# KiCad board tamago60.kicad_pcb
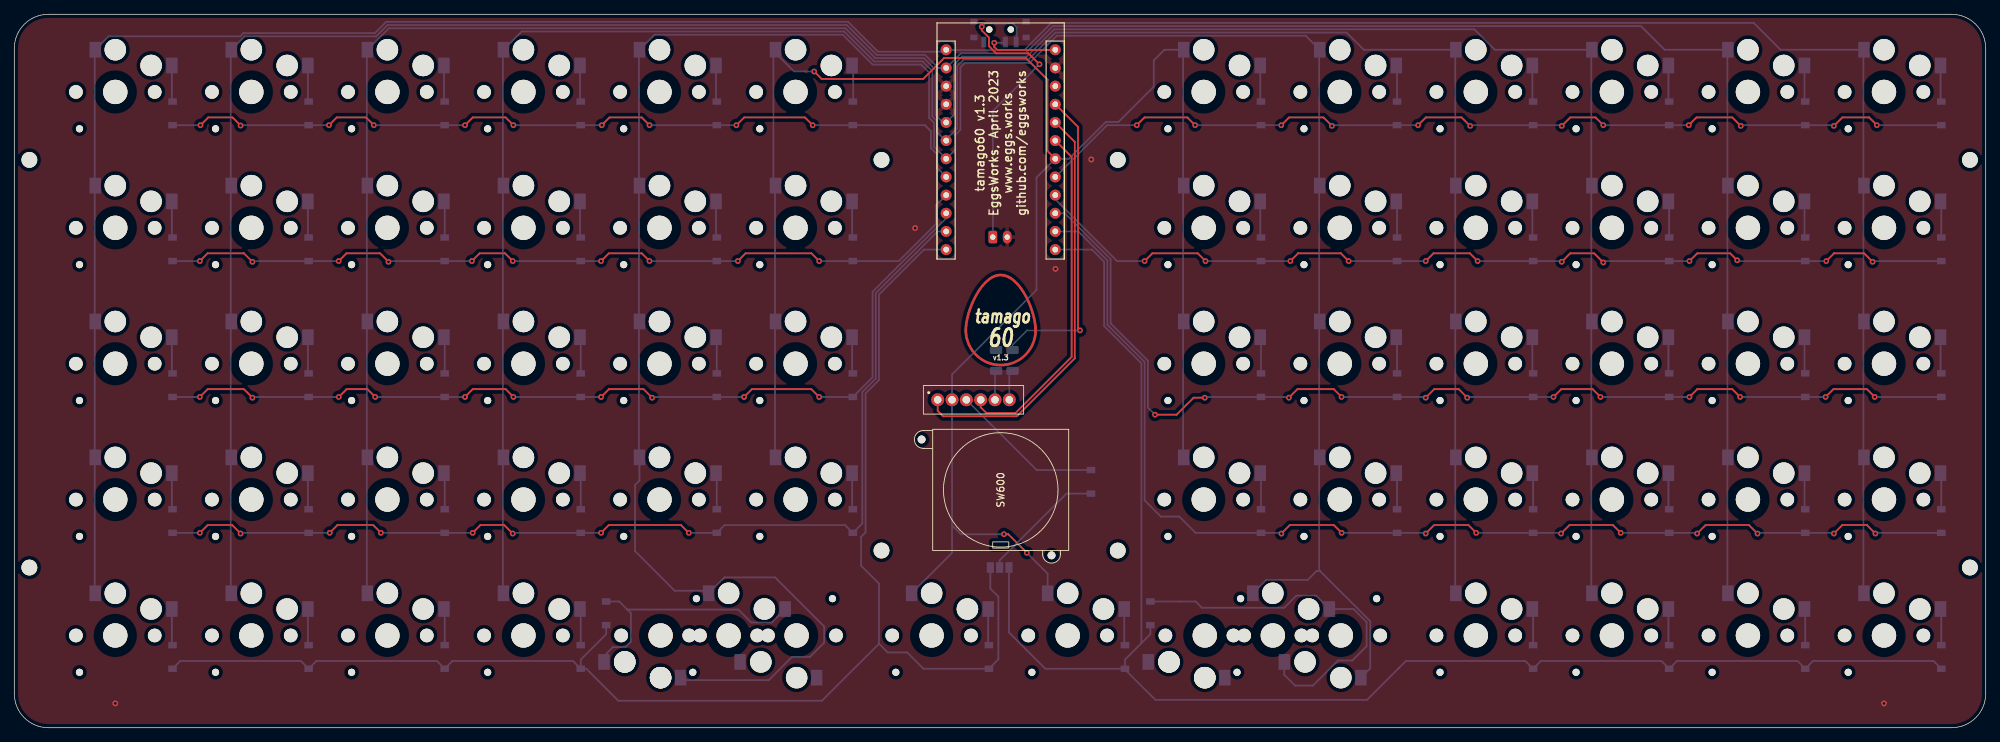
[diagram p0: board, top side]
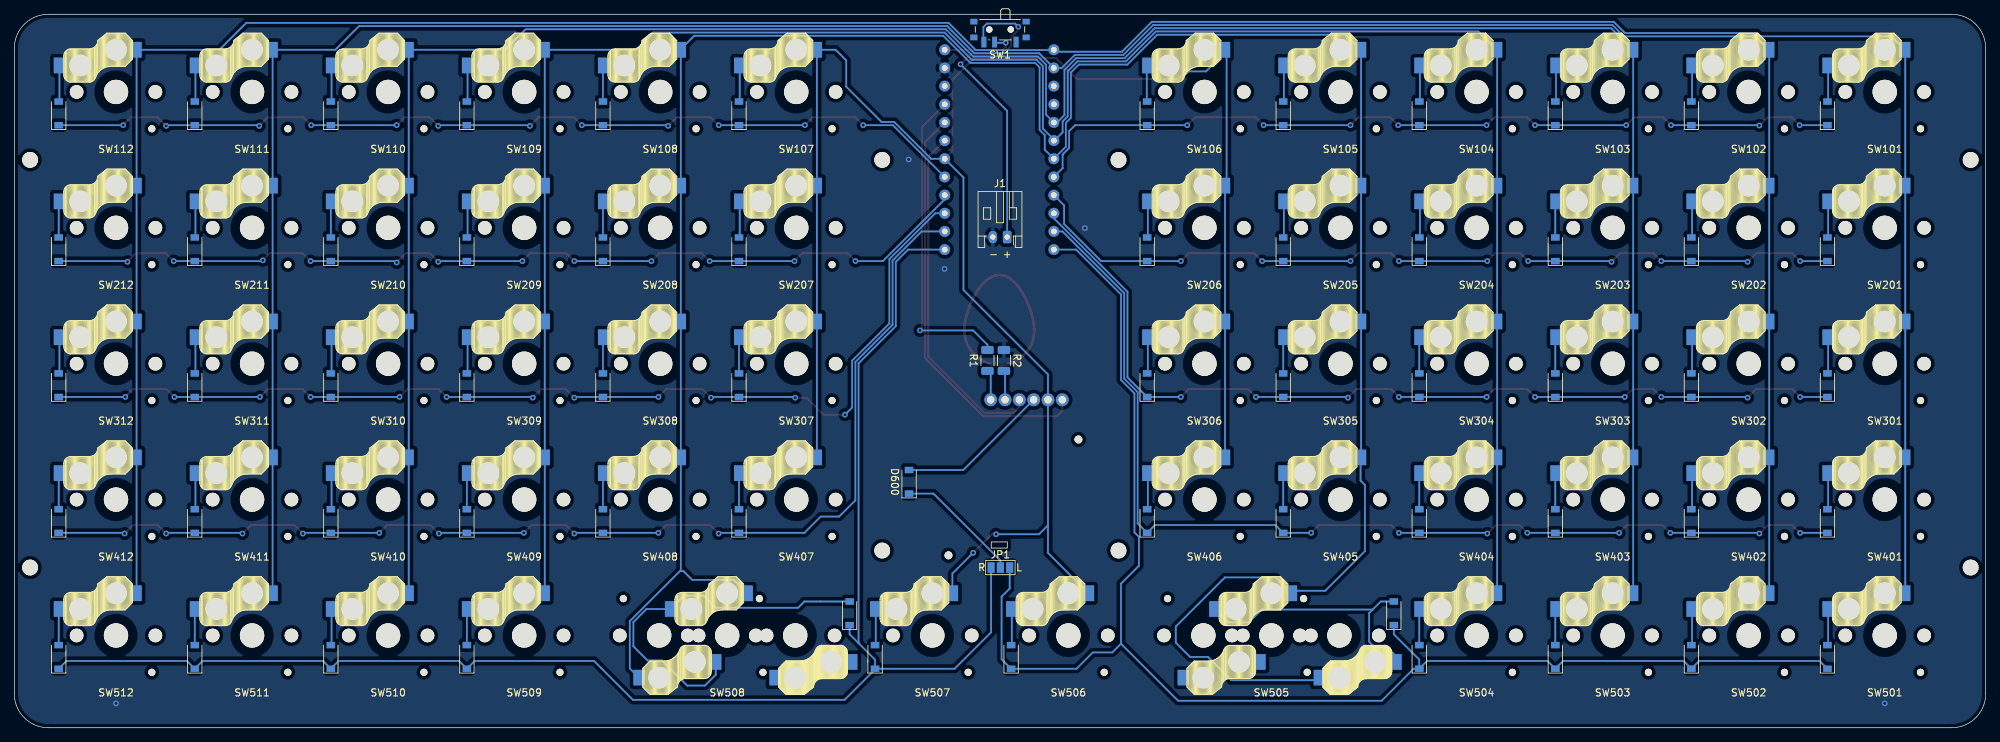
[diagram p1: board, bottom side, seen from below]

Outline 275.3 x 99.75 mm; copper layers: Top, Bottom. Coordinates in mm from the lower left corner of the outline.
Outline path: 0,95 arc(1.39,98.36) 4.75,99.75 270.55,99.75 arc(273.91,98.36) 275.3,95 275.3,4.75 arc(273.91,1.39) 270.55,0 4.75,0 arc(1.39,1.39) 0,4.75 0,95
Stack: Top 0.035mm / dielectric 1.51mm FR4 er 4.5 / Bottom 0.035mm

## Placement (name value [footprint] x y rotation side)
#LOGO1  LOGO  [tamago60logo]  137.75 57 0 top
D600  D  [D_SOD-123]  150.35 34.38 90 bottom
H1  MountingHole  [MountingHole_2.2mm_M2]  2.1 79.39 0 top
H2  MountingHole  [MountingHole_2.2mm_M2]  2.1 22.39 0 top
H3  MountingHole  [MountingHole_2.2mm_M2]  121.1 79.39 0 top
H4  MountingHole  [MountingHole_2.2mm_M2]  121.1 24.77 0 top
H5  MountingHole  [MountingHole_2.2mm_M2]  154.1 79.39 0 top
H6  MountingHole  [MountingHole_2.2mm_M2]  154.1 24.77 0 top
H7  MountingHole  [MountingHole_2.2mm_M2]  273.1 79.39 0 top
H8  MountingHole  [MountingHole_2.2mm_M2]  273.1 22.39 0 top
J1  Conn_01x02_Female  [JST_PH_S2B-PH-K_1x02_P2.00mm_Horizontal]  136.65 68.6 0 bottom
JP1  SolderJumper_3_Open  [SolderJumper-3_P1.3mm_Open_Pad1.0x1.5mm_NumberLabels]  137.6 22.39 180 bottom
R1  R  [R_1206_3216Metric]  139.4 51.35 270 bottom
R2  R  [R_1206_3216Metric]  137.1 51.35 270 bottom
SW1  SW_SPDT  [SW_SPDT_PCM12]  137.65 97.29 0 bottom
SW101  switch_with_diode  [Choc_Hotswap]  14.1 88.89 180 bottom
SW102  switch_with_diode  [Choc_Hotswap]  33.1 88.89 180 bottom
SW103  switch_with_diode  [Choc_Hotswap]  52.1 88.89 180 bottom
SW104  switch_with_diode  [Choc_Hotswap]  71.1 88.89 180 bottom
SW105  switch_with_diode  [Choc_Hotswap]  90.1 88.89 180 bottom
SW106  switch_with_diode  [Choc_Hotswap]  109.1 88.89 180 bottom
SW107  switch_with_diode  [Choc_Hotswap]  166.1 88.89 180 bottom
SW108  switch_with_diode  [Choc_Hotswap]  185.1 88.89 180 bottom
SW109  switch_with_diode  [Choc_Hotswap]  204.1 88.89 180 bottom
SW110  switch_with_diode  [Choc_Hotswap]  223.1 88.89 180 bottom
SW111  switch_with_diode  [Choc_Hotswap]  242.1 88.89 180 bottom
SW112  switch_with_diode  [Choc_Hotswap]  261.1 88.89 180 bottom
SW201  switch_with_diode  [Choc_Hotswap]  14.1 69.89 180 bottom
SW202  switch_with_diode  [Choc_Hotswap]  33.1 69.89 180 bottom
SW203  switch_with_diode  [Choc_Hotswap]  52.1 69.89 180 bottom
SW204  switch_with_diode  [Choc_Hotswap]  71.1 69.89 180 bottom
SW205  switch_with_diode  [Choc_Hotswap]  90.1 69.89 180 bottom
SW206  switch_with_diode  [Choc_Hotswap]  109.1 69.89 180 bottom
SW207  switch_with_diode  [Choc_Hotswap]  166.1 69.89 180 bottom
SW208  switch_with_diode  [Choc_Hotswap]  185.1 69.89 180 bottom
SW209  switch_with_diode  [Choc_Hotswap]  204.1 69.89 180 bottom
SW210  switch_with_diode  [Choc_Hotswap]  223.1 69.89 180 bottom
SW211  switch_with_diode  [Choc_Hotswap]  242.1 69.89 180 bottom
SW212  switch_with_diode  [Choc_Hotswap]  261.1 69.89 180 bottom
SW301  switch_with_diode  [Choc_Hotswap]  14.1 50.89 180 bottom
SW302  switch_with_diode  [Choc_Hotswap]  33.1 50.89 180 bottom
SW303  switch_with_diode  [Choc_Hotswap]  52.1 50.89 180 bottom
SW304  switch_with_diode  [Choc_Hotswap]  71.1 50.89 180 bottom
SW305  switch_with_diode  [Choc_Hotswap]  90.1 50.89 180 bottom
SW306  switch_with_diode  [Choc_Hotswap]  109.1 50.89 180 bottom
SW307  switch_with_diode  [Choc_Hotswap]  166.1 50.89 180 bottom
SW308  switch_with_diode  [Choc_Hotswap]  185.1 50.89 180 bottom
SW309  switch_with_diode  [Choc_Hotswap]  204.1 50.89 180 bottom
SW310  switch_with_diode  [Choc_Hotswap]  223.1 50.89 180 bottom
SW311  switch_with_diode  [Choc_Hotswap]  242.1 50.89 180 bottom
SW312  switch_with_diode  [Choc_Hotswap]  261.1 50.89 180 bottom
SW401  switch_with_diode  [Choc_Hotswap]  14.1 31.89 180 bottom
SW402  switch_with_diode  [Choc_Hotswap]  33.1 31.89 180 bottom
SW403  switch_with_diode  [Choc_Hotswap]  52.1 31.89 180 bottom
SW404  switch_with_diode  [Choc_Hotswap]  71.1 31.89 180 bottom
SW405  switch_with_diode  [Choc_Hotswap]  90.1 31.89 180 bottom
SW406  switch_with_diode  [Choc_Hotswap]  109.1 31.89 180 bottom
SW407  switch_with_diode  [Choc_Hotswap]  166.1 31.89 180 bottom
SW408  switch_with_diode  [Choc_Hotswap]  185.1 31.89 180 bottom
SW409  switch_with_diode  [Choc_Hotswap]  204.1 31.89 180 bottom
SW410  switch_with_diode  [Choc_Hotswap]  223.1 31.89 180 bottom
SW411  switch_with_diode  [Choc_Hotswap]  242.1 31.89 180 bottom
SW412  switch_with_diode  [Choc_Hotswap]  261.1 31.89 180 bottom
SW501  switch_with_diode  [Choc_Hotswap]  14.1 12.89 180 bottom
SW502  switch_with_diode  [Choc_Hotswap]  33.1 12.89 180 bottom
SW503  switch_with_diode  [Choc_Hotswap]  52.1 12.89 180 bottom
SW504  switch_with_diode  [Choc_Hotswap]  71.1 12.89 180 bottom
SW505  switch_with_diode  [Choc_Hotswap_2u_left]  99.75 12.89 0 bottom
SW506  switch_with_diode  [Choc_Hotswap]  128.1 12.89 180 bottom
SW507  switch_with_diode  [Choc_Hotswap]  147.1 12.89 180 bottom
SW508  switch_with_diode  [Choc_Hotswap_2u_right]  175.75 12.89 0 bottom
SW509  switch_with_diode  [Choc_Hotswap]  204.1 12.89 180 bottom
SW510  switch_with_diode  [Choc_Hotswap]  223.1 12.89 180 bottom
SW511  switch_with_diode  [Choc_Hotswap]  242.1 12.89 180 bottom
SW512  switch_with_diode  [Choc_Hotswap]  261.1 12.89 180 bottom
SW600  -  [JP19]  137.75 33.25 90 top
U1  Pro_Micro  [ProMicro]  137.75 80.75 0 top

## Footprints (pads in the part's own frame, mm; a bottom-side part is the same pattern mirrored in y, then rotated)
Choc_Hotswap
  round 1.9 hole 1.9 unplated: (-5.5,0) (5.5,0)
  round 3 hole 3 unplated: (-5,3.7) (0,5.9)
  round 3.4 hole 5 unplated: (0,0)
  round 1 hole 1 unplated: (5,-5.15)
  rect 1.6x2.2 smd: 1(2.8,5.9) 2(-7.9,3.7)
  rect 1.2x0.9 smd: 2(-8,-1.35) 3(-8,-4.65)
Choc_Hotswap_2u_left
  round 1.9 hole 1.9 unplated: (-15,0) (-5.5,0) (-4,0) (4,0) (5.5,0) (15,0)
  round 3 hole 3 unplated: (-14.5,3.7) (-14.5,3.7) (-9.5,5.9) (-9.5,5.9) (0,-5.9) (4.5,3.7) (5,-3.7) (9.5,5.9)
  round 3.4 hole 5 unplated: (-9.5,0) (0,0) (9.5,0)
  round 1 hole 1 unplated: (-5,5.15) (-4.5,-5.15) (14.5,-5.15)
  rect 1.6x2.2 smd: (1.6,3.7) (12.3,5.9) 1(-6.7,5.9) 1(-2.8,-5.9) 2(-17.4,3.7) 2(7.9,-3.7)
  rect 1.2x0.9 smd: 2(-17.1,-4.75) 3(-17.1,-1.45)
Choc_Hotswap_2u_right
  rect 1.6x2.2 smd: (-17.4,3.7) (-6.7,5.9) 1(-2.8,-5.9) 1(12.3,5.9) 2(1.6,3.7) 2(7.9,-3.7)
  round 1.9 hole 1.9 unplated: (-15,0) (-5.5,0) (-4,0) (4,0) (5.5,0) (15,0)
  round 3 hole 3 unplated: (-14.5,3.7) (-14.5,3.7) (-9.5,5.9) (-9.5,5.9) (0,-5.9) (4.5,3.7) (5,-3.7) (9.5,5.9)
  round 3.4 hole 5 unplated: (-9.5,0) (0,0) (9.5,0)
  round 1 hole 1 unplated: (-5,5.15) (-4.5,-5.15) (14.5,-5.15)
  rect 1.2x0.9 smd: 2(-17.1,-4.75) 3(-17.1,-1.45)
D_SOD-123
  rect 0.9x1.2 smd: 1(-1.65,0) 2(1.65,0)
JP19
  round 1.1 hole 1.1 unplated: (-9.15,-7.1) (7.05,11.05)
  round 1.8 hole 1.05: 1(12.6,8.8) 2(12.6,6.8) 3(12.6,4.8) 4(12.6,2.8) 5(12.6,0.8) 6(12.6,-1.2)
JST_PH_S2B-PH-K_1x02_P2.00mm_Horizontal
  rrect 1.2x1.75 hole 0.75: 1(0,0)
  oval 1.2x1.75 hole 0.75: 2(2,0)
MountingHole_2.2mm_M2
  round 2.2 hole 2.2 unplated: (0,0)
ProMicro
  round 1.524 hole 0.813: 1(-7.62,14.04) 2(-7.62,11.5) 3(-7.62,8.96) 4(-7.62,6.42) 5(-7.62,3.88) 6(-7.62,1.34) 7(-7.62,-1.2) 8(-7.62,-3.74) 9(-7.62,-6.28) 10(-7.62,-8.82) 11(-7.62,-11.36) 12(-7.62,-13.9) 13(7.62,-13.9) 14(7.62,-11.36) 15(7.62,-8.82) 16(7.62,-6.28) 17(7.62,-3.74) 18(7.62,-1.2) 19(7.62,1.34) 20(7.62,3.88) 21(7.62,6.42) 22(7.62,8.96) 23(7.62,11.5) 24(7.62,14.04)
R_1206_3216Metric
  rrect 1.125x1.75 smd: 1(-1.462,0) 2(1.462,0)
SolderJumper-3_P1.3mm_Open_Pad1.0x1.5mm_NumberLabels
  rect 1x1.5 smd: 1(-1.3,0) 2(0,0) 3(1.3,0)
SW_SPDT_PCM12
  rect 1x0.8 smd: (-3.65,-1.43) (-3.65,0.78) (3.65,-1.43) (3.65,0.78)
  round 0.9 hole 0.9 unplated: (-1.5,-0.33) (1.5,-0.33)
  rect 0.7x1.5 smd: 1(-2.25,1.43) 2(0.75,1.43) 3(2.25,1.43)

## Nets
GND: J1.2 R2.1 U1.3 U1.4 U1.23
VCC: R1.1 U1.21
ADX: SW600.1 U1.20
ADY: SW600.4 U1.19
Col1: SW101.1 SW112.1 SW201.1 SW212.1 SW301.1 SW312.1 SW401.1 SW412.1 SW501.1 SW512.1 U1.1
Col2: SW102.1 SW111.1 SW202.1 SW211.1 SW302.1 SW311.1 SW402.1 SW411.1 SW502.1 SW511.1 U1.2
Col3: SW103.1 SW110.1 SW203.1 SW210.1 SW303.1 SW310.1 SW403.1 SW410.1 SW503.1 SW510.1 U1.5
Col4: SW104.1 SW109.1 SW204.1 SW209.1 SW304.1 SW309.1 SW404.1 SW409.1 SW504.1 SW509.1 U1.6
Col5: SW105.1 SW108.1 SW205.1 SW208.1 SW305.1 SW308.1 SW405.1 SW408.1 SW505.1 SW508.1 U1.7
Col6: SW106.1 SW107.1 SW206.1 SW207.1 SW306.1 SW307.1 SW406.1 SW407.1 SW506.1 SW507.1 SW600.2 U1.18
RAW: SW1.2 U1.24
Row1: SW101.3 SW102.3 SW103.3 SW104.3 SW105.3 SW106.3 U1.8
Row2: SW201.3 SW202.3 SW203.3 SW204.3 SW205.3 SW206.3 U1.9
Row3: SW301.3 SW302.3 SW303.3 SW304.3 SW305.3 SW306.3 U1.10
Row4: SW401.3 SW402.3 SW403.3 SW404.3 SW405.3 SW406.3 U1.11
Row5: JP1.3 SW501.3 SW502.3 SW503.3 SW504.3 SW505.3 SW506.3 U1.12
Row6: SW107.3 SW108.3 SW109.3 SW110.3 SW111.3 SW112.3 U1.17
Row7: SW207.3 SW208.3 SW209.3 SW210.3 SW211.3 SW212.3 U1.16
Row8: SW307.3 SW308.3 SW309.3 SW310.3 SW311.3 SW312.3 U1.15
Row9: SW407.3 SW408.3 SW409.3 SW410.3 SW411.3 SW412.3 U1.14
Row10: JP1.1 SW507.3 SW508.3 SW509.3 SW510.3 SW511.3 SW512.3 U1.13
Net-(D600-Pad1): D600.1 JP1.2
Net-(D600-Pad2): D600.2 SW600.3
Net-(J1-Pad1): J1.1 SW1.3
Net-(R1-Pad2): R1.2 SW600.6
Net-(R2-Pad2): R2.2 SW600.5
Net-(SW101-Pad2): SW101.2
Net-(SW102-Pad2): SW102.2
Net-(SW103-Pad2): SW103.2
Net-(SW104-Pad2): SW104.2
Net-(SW105-Pad2): SW105.2
Net-(SW106-Pad2): SW106.2
Net-(SW107-Pad2): SW107.2
Net-(SW108-Pad2): SW108.2
Net-(SW109-Pad2): SW109.2
Net-(SW110-Pad2): SW110.2
Net-(SW111-Pad2): SW111.2
Net-(SW112-Pad2): SW112.2
Net-(SW201-Pad2): SW201.2
Net-(SW202-Pad2): SW202.2
Net-(SW203-Pad2): SW203.2
Net-(SW204-Pad2): SW204.2
Net-(SW205-Pad2): SW205.2
Net-(SW206-Pad2): SW206.2
Net-(SW207-Pad2): SW207.2
Net-(SW208-Pad2): SW208.2
Net-(SW209-Pad2): SW209.2
Net-(SW210-Pad2): SW210.2
Net-(SW211-Pad2): SW211.2
Net-(SW212-Pad2): SW212.2
Net-(SW301-Pad2): SW301.2
Net-(SW302-Pad2): SW302.2
Net-(SW303-Pad2): SW303.2
Net-(SW304-Pad2): SW304.2
Net-(SW305-Pad2): SW305.2
Net-(SW306-Pad2): SW306.2
Net-(SW307-Pad2): SW307.2
Net-(SW308-Pad2): SW308.2
Net-(SW309-Pad2): SW309.2
Net-(SW310-Pad2): SW310.2
Net-(SW311-Pad2): SW311.2
Net-(SW312-Pad2): SW312.2
Net-(SW401-Pad2): SW401.2
Net-(SW402-Pad2): SW402.2
Net-(SW403-Pad2): SW403.2
Net-(SW404-Pad2): SW404.2
Net-(SW405-Pad2): SW405.2
Net-(SW406-Pad2): SW406.2
Net-(SW407-Pad2): SW407.2
Net-(SW408-Pad2): SW408.2
Net-(SW409-Pad2): SW409.2
Net-(SW410-Pad2): SW410.2
Net-(SW411-Pad2): SW411.2
Net-(SW412-Pad2): SW412.2
Net-(SW501-Pad2): SW501.2
Net-(SW502-Pad2): SW502.2
Net-(SW503-Pad2): SW503.2
Net-(SW504-Pad2): SW504.2
Net-(SW505-Pad2): SW505.2
Net-(SW506-Pad2): SW506.2
Net-(SW507-Pad2): SW507.2
Net-(SW508-Pad2): SW508.2
Net-(SW509-Pad2): SW509.2
Net-(SW510-Pad2): SW510.2
Net-(SW511-Pad2): SW511.2
Net-(SW512-Pad2): SW512.2

Pads without a net: SW1 1; U1 22

## Via types
v1: diameter 0.8, hole 0.4, Top to Bottom, 96 vias

## Routing (per net, layer and track width the routed paths; a pad name or vN(x,y) marks a point on that pad's centre or on a via; arc(x,y) is an arc through that point)
GND:
  vias: v1(14.1,3.39) v1(125.8,69.85) v1(145.4,64.15) v1(150.4,79.45) v1(261.1,3.39)
VCC: length 44
  Top w0.25: U1.21 148.55,83.99 148.55,55.82 v1(148.82,55.55)
  Bottom w0.25: v1(148.82,55.55) 141.4,55.55 139.4,53.55 R1.1
ADX: length 58.5
  Top w0.25: SW600.1 128.95,44.3 129.7,43.55 140,43.55 148.1,51.65 148.1,81.9 U1.20
ADY: length 48.5
  Top w0.25: SW600.4 134.95,44.8 135.75,44 139.81,44 147.65,51.84 147.65,79.81 U1.19
Col1: length 404.3
  Bottom w0.25: 11.22,75.72 11.22,56.87 ; 258.22,94.72 258.22,75.87 ; SW101.1 13.17,96.67 31.54,96.67 31.99,97.12 50.35,97.12 51.93,98.7 116.44,98.7 120.62,94.52 129.86,94.52 130.09,94.75 ; 258.22,37.72 258.22,18.87 ; 258.22,56.72 258.22,37.87 ; 11.22,56.72 11.22,37.87 ; SW112.1 246.66,94.79 242.9,98.55 144.83,98.55 141.03,94.75 130.17,94.75 ; 258.22,75.72 258.22,56.87 ; 11.22,37.72 11.22,18.87 ; 11.22,94.72 11.22,75.87
Col2: length 367.5
  Bottom w0.25: 30.22,56.87 30.22,75.72 ; 239.22,18.87 239.22,37.72 ; 239.22,75.87 239.22,94.72 ; SW111.1 230.46,94.79 227.15,98.1 145.02,98.1 141.22,94.3 132.18,94.3 U1.2 129.02,92.25 127.2,94.07 120.43,94.07 116.25,98.25 52.12,98.25 50.54,96.67 32.17,96.67 SW102.1 ; 30.22,18.87 30.22,37.72 ; 239.22,56.87 239.22,75.72 ; 30.22,37.87 30.22,56.72 ; 239.22,37.87 239.22,56.72 ; 30.22,75.87 30.22,94.72
Col3: length 342.4
  Bottom w0.25: 220.22,56.72 220.22,37.87 ; 220.22,94.72 220.22,75.87 ; SW110.1 206.76,94.79 203.9,97.65 145.21,97.65 141.41,93.85 132.37,93.85 131.22,92.7 131.22,85.72 U1.5 ; 49.22,75.72 49.22,56.87 ; 129.67,84.63 128.65,85.65 128.65,91.98 127.01,93.62 120.24,93.62 116.06,97.8 52.31,97.8 SW103.1 ; 220.22,75.72 220.22,56.87 ; 49.22,94.72 49.22,75.87 ; 220.22,37.72 220.22,18.87 ; 49.22,37.87 49.22,56.72 ; 49.22,18.87 49.22,37.72
Col4: length 308
  Bottom w0.25: 68.22,56.87 68.22,75.72 ; 201.22,37.87 201.22,56.72 ; 201.22,75.87 201.22,94.72 ; 201.22,18.87 201.22,37.72 ; 68.22,18.87 68.22,37.72 ; SW104.1 70.86,97.35 115.88,97.35 120.06,93.17 126.82,93.17 128.2,91.79 128.2,85.46 128.9,84.76 128.9,83.25 130.06,82.09 ; 201.22,56.87 201.22,75.72 ; 68.22,37.87 68.22,56.72 ; 130.13,82.24 131.67,83.78 131.67,92.51 132.55,93.4 141.59,93.4 145.39,97.2 186.05,97.2 188.46,94.79 SW109.1 ; 68.22,75.87 68.22,94.72
Col5: length 351.7
  Bottom w0.25: SW505.1 93.4,6.64 105.35,6.64 108.6,9.89 111.1,9.89 113.1,11.89 113.1,14.14 106.22,21.02 99.18,21.02 SW505.1 96.6,19.14 92.22,19.14 86.69,24.68 86.69,33.94 87.3,34.55 SW405.1 ; SW408.1 182.22,37.72 182.22,22.02 182.35,21.89 ; 87.22,75.72 87.22,56.87 ; 87.22,56.72 87.22,37.87 ; 182.35,21.89 189.35,14.89 189.35,8.29 SW508.1 ; 182.35,21.89 181.85,21.89 180.62,20.67 174.83,20.67 SW508.1 ; SW108.1 180.34,96.75 145.58,96.75 141.78,92.95 132.74,92.95 132.12,92.33 132.12,83.59 131.4,82.88 131.4,80.82 U1.7 128.45,81.23 128.45,84.58 127.75,85.28 127.75,91.61 126.64,92.72 119.87,92.72 115.69,96.9 89.41,96.9 SW105.1 ; 182.22,94.72 182.22,75.87 ; 87.22,94.72 87.22,75.87 ; 182.22,56.72 182.22,37.87 ; 182.22,75.72 182.22,56.87
Col6: length 281.6
  Top w0.25: U1.18 144.28,80.64 144.28,90.62 141.26,93.64 129.85,93.64 126.92,90.72 112.73,90.72 v1(111.7,91.75) ; v1(138.2,27.05) 138.8,27.05 v1(141.4,24.45)
  Bottom w0.25: 130.95,28.3 132.2,27.05 v1(138.2,27.05) ; 130.95,28.3 SW600.2 130.95,49.4 142.75,61.2 142.75,76.93 U1.18 147.27,79.55 152.42,84.69 154.18,84.69 159.12,89.64 159.12,93.31 160.61,94.79 SW107.1 ; 130.95,28.3 130.95,24.44 SW506.1 ; 163.22,56.87 163.22,75.72 ; SW507.1 144.3,21.55 v1(141.4,24.45) ; 106.22,75.72 106.22,56.87 ; 106.22,56.72 106.22,37.87 ; 106.3,94.64 106,94.34 106,76.09 SW206.1 ; v1(111.7,91.75) 111.68,91.77 108.87,91.77 106.45,94.19 106.45,94.79 ; 163.22,37.87 163.22,56.72 ; 163.22,75.87 163.22,94.72
RAW: length 10.9
  Top w0.25: v1(136.85,95.77) 136.85,95.19 137.29,94.75 145.33,94.75 U1.24
  Bottom w0.25: v1(136.85,95.77) 138.31,95.77 SW1.2
Row1: length 118.1
  Top w0.25: v1(50.2,84.25) 49.12,85.33 45.03,85.33 v1(43.94,84.24) ; v1(62.94,84.24) 64.03,85.33 68.62,85.33 v1(69.7,84.25) ; v1(82.04,84.24) 83.12,85.33 87.62,85.33 v1(88.7,84.25) ; v1(100.84,84.24) 101.93,85.33 110.41,85.33 v1(111.49,84.24) ; v1(31.6,84.2) 30.47,85.33 27.08,85.33 v1(25.99,84.24)
  Bottom w0.25: U1.8 128.9,78.24 128.9,80.14 128,81.04 128,83.4 127.16,84.24 v1(111.49,84.24) ; v1(100.84,84.24) SW105.3 88.71,84.24 v1(88.7,84.25) ; v1(43.94,84.24) SW102.3 31.64,84.24 v1(31.6,84.2) ; v1(25.99,84.24) SW101.3 ; v1(69.7,84.25) 69.71,84.24 SW104.3 v1(82.04,84.24) ; v1(62.94,84.24) SW103.3 50.21,84.24 v1(50.2,84.25)
Row2: length 118
  Top w0.25: v1(33.25,65.14) 32.06,66.33 26.99,66.33 v1(25.91,65.24) ; v1(101.04,65.24) 102.12,66.33 111.31,66.33 v1(112.39,65.24) ; v1(88.7,65.25) 87.62,66.33 83.03,66.33 v1(81.94,65.24) ; v1(45.29,65.24) 46.38,66.33 51.06,66.33 v1(52.25,65.14) ; v1(69.6,65.25) 68.52,66.33 64.98,66.33 v1(63.89,65.24)
  Bottom w0.25: v1(112.39,65.24) SW206.3 123.51,65.24 128.7,70.44 128.7,73.04 U1.9 ; v1(88.7,65.25) 88.71,65.24 SW205.3 v1(101.04,65.24) ; v1(63.89,65.24) SW203.3 52.35,65.24 v1(52.25,65.14) ; v1(25.91,65.24) SW201.3 ; v1(81.94,65.24) SW204.3 69.61,65.24 v1(69.6,65.25) ; v1(33.25,65.14) 33.35,65.24 SW202.3 v1(45.29,65.24)
Row3: length 130.8
  Top w0.25: v1(81.94,46.24) 83.03,47.33 87.88,47.33 v1(89.06,46.14) ; v1(112.39,46.24) 111.31,47.33 102.99,47.33 v1(101.91,46.24) ; v1(25.91,46.24) 26.99,47.33 32.06,47.33 v1(33.25,46.14) ; v1(69.7,46.25) 68.62,47.33 64.03,47.33 v1(62.94,46.24) ; v1(50.4,46.25) 49.32,47.33 46.39,47.33 v1(45.31,46.24)
  Bottom w0.25: v1(89.06,46.14) 89.16,46.24 SW305.3 v1(101.91,46.24) ; U1.10 130.13,71.23 119.85,60.95 119.85,48.99 SW306.3 v1(112.39,46.24) ; v1(69.7,46.25) 69.71,46.24 SW304.3 v1(81.94,46.24) ; v1(33.25,46.14) 33.35,46.24 SW302.3 v1(45.31,46.24) ; v1(50.4,46.25) 50.41,46.24 SW303.3 v1(62.94,46.24) ; v1(25.91,46.24) SW301.3
Row4: length 147.9
  Top w0.25: v1(44.04,27.24) 45.12,28.33 50.11,28.33 v1(51.19,27.24) ; v1(64.01,27.24) 65.09,28.33 68.42,28.33 v1(69.6,27.15) ; v1(25.91,27.24) 26.99,28.33 30.42,28.33 v1(31.6,27.15) ; v1(81.94,27.24) 83.03,28.33 93.11,28.33 v1(94.19,27.24)
  Bottom w0.25: v1(31.6,27.15) 31.69,27.24 SW402.3 v1(44.04,27.24) ; v1(69.6,27.15) 69.69,27.24 SW404.3 v1(81.94,27.24) ; v1(25.91,27.24) SW401.3 ; v1(64.01,27.24) SW403.3 v1(51.19,27.24) ; v1(94.19,27.24) SW405.3 99.19,28.33 116.01,28.33 SW406.3 118.42,28.57 118.42,46.93 120.3,48.81 120.3,60.76 128.93,69.39 U1.11
Row5: length 208.9
  Bottom w0.25: SW504.3 79.1,9.52 82.65,13.07 SW505.3 ; SW504.3 78.01,9.33 61.19,9.33 SW503.3 59.01,9.33 42.19,9.33 SW502.3 40.01,9.33 23.19,9.33 SW501.3 ; SW504.3 79.87,8.24 84.35,3.77 112.78,3.77 120.75,11.74 ; 120.75,11.74 120.75,20.14 118.25,22.64 118.25,26.69 118.87,27.32 118.87,46.75 120.75,48.62 120.75,60.58 127.02,66.85 U1.12 ; 120.75,11.74 121.97,10.52 124.69,10.52 126.96,8.24 SW506.3 137.42,9.57 137.42,18.32 136.3,19.44 JP1.3
Row6: length 132.5
  Top w0.25: v1(254.1,84.15) 255.28,85.33 259.02,85.33 v1(260.1,84.25) ; v1(164.9,84.25) 163.82,85.33 157.83,85.33 v1(156.75,84.25) ; v1(216.1,84.15) 217.28,85.33 220.82,85.33 v1(221.9,84.25) ; v1(196.04,84.24) 197.12,85.33 202.12,85.33 v1(203.3,84.15) ; v1(233.84,84.24) 234.93,85.33 239.92,85.33 v1(241.1,84.15) ; v1(176.93,84.24) 178.02,85.33 182.82,85.33 v1(184,84.15)
  Bottom w0.25: v1(216.1,84.15) 216.01,84.24 SW109.3 203.39,84.24 v1(203.3,84.15) ; SW112.3 260.11,84.24 v1(260.1,84.25) ; v1(164.9,84.25) 164.91,84.24 SW107.3 v1(176.93,84.24) ; U1.17 152.6,84.24 156.74,84.24 v1(156.75,84.25) ; v1(196.04,84.24) SW108.3 184.09,84.24 v1(184,84.15) ; v1(233.84,84.24) SW110.3 221.91,84.24 v1(221.9,84.25) ; v1(241.1,84.15) 241.19,84.24 SW111.3 254.01,84.24 v1(254.1,84.15)
Row7: length 133
  Top w0.25: v1(157.84,65.24) 158.93,66.33 165.26,66.33 v1(166.35,65.24) ; v1(216.1,65.15) 217.28,66.33 220.62,66.33 v1(221.9,65.05) ; v1(259.5,65.15) 258.32,66.33 254.12,66.33 v1(253.04,65.24) ; v1(240.6,65.35) 239.62,66.33 235.02,66.33 v1(233.93,65.24) ; v1(204.35,65.24) 203.26,66.33 198.18,66.33 v1(197.1,65.25) ; v1(178.2,65.25) 179.28,66.33 185.25,66.33 v1(186.34,65.24)
  Bottom w0.25: v1(259.5,65.15) 259.59,65.24 SW212.3 ; v1(197.1,65.25) 197.09,65.24 SW208.3 v1(186.34,65.24) ; v1(221.9,65.05) 222.09,65.24 SW210.3 v1(233.93,65.24) ; v1(178.2,65.25) 178.19,65.24 SW207.3 v1(166.35,65.24) ; v1(157.84,65.24) 154.01,65.24 145.37,73.88 ; v1(253.04,65.24) SW211.3 240.71,65.24 v1(240.6,65.35) ; v1(216.1,65.15) 216.01,65.24 SW209.3 v1(204.35,65.24)
Row8: length 150.3
  Top w0.25: v1(233.93,46.24) 235.02,47.33 239.92,47.33 v1(241,46.25) ; v1(214.94,46.24) 216.03,47.33 220.42,47.33 v1(221.5,46.25) ; v1(159.3,43.77) 162.32,43.77 164.69,46.14 v1(166.25,46.14) ; v1(185.35,46.24) 184.26,47.33 179.18,47.33 v1(178,46.15) ; v1(197.1,46.15) 198.28,47.33 201.72,47.33 v1(202.9,46.15) ; v1(259.8,46.25) 258.72,47.33 254.03,47.33 v1(252.94,46.24)
  Bottom w0.25: v1(214.94,46.24) SW309.3 202.99,46.24 v1(202.9,46.15) ; v1(178,46.15) 177.91,46.24 SW307.3 166.35,46.24 v1(166.25,46.14) ; U1.15 146.68,71.93 153.1,65.51 153.1,56.52 158.3,51.32 158.3,44.77 v1(159.3,43.77) ; SW312.3 259.81,46.24 v1(259.8,46.25) ; v1(233.93,46.24) SW310.3 221.51,46.24 v1(221.5,46.25) ; v1(197.1,46.15) 197.01,46.24 SW308.3 v1(185.35,46.24) ; v1(252.94,46.24) SW311.3 241.01,46.24 v1(241,46.25)
Row9: length 162.9
  Top w0.25: v1(259.9,27.15) 258.72,28.33 255.28,28.33 v1(254.1,27.15) ; v1(216,27.15) 217.18,28.33 223.25,28.33 v1(224.34,27.24) ; v1(243.44,27.14) 242.25,28.33 236.18,28.33 v1(235,27.15) ; v1(197.1,27.15) 198.28,28.33 203.06,28.33 v1(204.15,27.24) ; v1(176.94,27.14) 178.12,28.33 184.27,28.33 v1(185.36,27.24)
  Bottom w0.25: v1(235,27.15) 234.91,27.24 SW410.3 v1(224.34,27.24) ; v1(197.1,27.15) 197.01,27.24 SW408.3 v1(185.36,27.24) ; v1(216,27.15) 215.91,27.24 SW409.3 v1(204.15,27.24) ; v1(259.9,27.15) 259.99,27.24 SW412.3 ; v1(254.1,27.15) 254.01,27.24 SW411.3 243.54,27.24 v1(243.44,27.14) ; v1(176.94,27.14) 176.84,27.24 SW407.3 164.96,27.24 162.69,29.52 160.11,29.52 157.85,31.78 157.85,51.13 152.65,56.33 152.65,65.33 148.59,69.39 U1.14
Row10: length 219.4
  Bottom w0.25: 193.25,8.24 193.37,8.37 ; 193.37,8.37 194.34,9.33 211.01,9.33 SW509.3 213.19,9.33 230.01,9.33 SW510.3 232.19,9.33 249.01,9.33 SW511.3 251.19,9.33 268.01,9.33 SW512.3 ; 193.37,8.37 188.9,3.89 159.35,3.89 155.1,8.14 SW507.3 ; SW507.3 143.98,8.24 138.9,13.33 JP1.1 ; SW507.3 155.1,9.52 157.4,11.82 ; SW508.3 158.65,13.07 157.4,11.82 ; 157.4,11.82 157.4,50.95 152.2,56.15 152.2,65.14 150.49,66.85 U1.13
Net-(D600-Pad1): length 17.6
  Bottom w0.25: D600.1 146.93,32.73 137.6,23.39 JP1.2
Net-(D600-Pad2): length 21.5
  Bottom w0.25: SW600.3 142.77,36.03 D600.2
Net-(J1-Pad1): length 45.5
  Top w0.25: v1(143.16,92.76) 143.14,92.76 141.6,94.3 137.1,94.3 136.1,95.3 136.1,96.51 135.1,97.51 v1(135.1,98.02)
  Bottom w0.25: J1.1 136.65,86.25 v1(143.16,92.76) ; v1(135.1,98.02) 135.53,98.45 139.49,98.45 139.98,97.97 139.98,95.94 SW1.3
Net-(R1-Pad2): length 4.2
  Bottom w0.25: R1.2 138.95,49.44 SW600.6
Net-(R2-Pad2): length 4.1
  Bottom w0.25: R2.2 136.95,49.74 SW600.5
Net-(SW101-Pad2): length 5
  Bottom w0.25: SW101.2 22,87.64
Net-(SW102-Pad2): length 5
  Bottom w0.25: SW102.2 41,87.64
Net-(SW103-Pad2): length 5
  Bottom w0.25: SW103.2 60,87.64
Net-(SW104-Pad2): length 5
  Bottom w0.25: SW104.2 79,87.64
Net-(SW105-Pad2): length 5
  Bottom w0.25: SW105.2 98,87.64
Net-(SW106-Pad2): length 5
  Bottom w0.25: 117.15,92.59 117.15,87.64
Net-(SW107-Pad2): length 5
  Bottom w0.25: SW107.2 174,87.64
Net-(SW108-Pad2): length 5
  Bottom w0.25: SW108.2 193.1,92.49
Net-(SW109-Pad2): length 5
  Bottom w0.25: SW109.2 212,87.64
Net-(SW110-Pad2): length 5
  Bottom w0.25: SW110.2 231,87.64
Net-(SW111-Pad2): length 5
  Bottom w0.25: SW111.2 250,87.64
Net-(SW112-Pad2): length 5
  Bottom w0.25: SW112.2 269,87.64
Net-(SW201-Pad2): length 5
  Bottom w0.25: SW201.2 22,68.64
Net-(SW202-Pad2): length 5
  Bottom w0.25: SW202.2 41,68.64
Net-(SW203-Pad2): length 4.9
  Bottom w0.25: SW203.2 60.1,73.49
Net-(SW204-Pad2): length 5
  Bottom w0.25: SW204.2 79,68.64
Net-(SW205-Pad2): length 5
  Bottom w0.25: SW205.2 98,68.64
Net-(SW206-Pad2): length 5
  Bottom w0.25: SW206.2 117,68.64
Net-(SW207-Pad2): length 5
  Bottom w0.25: SW207.2 174,68.64
Net-(SW208-Pad2): length 4.9
  Bottom w0.25: SW208.2 193.1,73.49
Net-(SW209-Pad2): length 5
  Bottom w0.25: SW209.2 212,68.64
Net-(SW210-Pad2): length 4.9
  Bottom w0.25: SW210.2 231.1,73.49
Net-(SW211-Pad2): length 5
  Bottom w0.25: SW211.2 250,68.64
Net-(SW212-Pad2): length 4.9
  Bottom w0.25: SW212.2 269.1,73.49
Net-(SW301-Pad2): length 5
  Bottom w0.25: SW301.2 22,49.64
Net-(SW302-Pad2): length 5
  Bottom w0.25: SW302.2 41,49.64
Net-(SW303-Pad2): length 4.9
  Bottom w0.25: SW303.2 60.1,54.49
Net-(SW304-Pad2): length 4.9
  Bottom w0.25: SW304.2 79.1,54.49
Net-(SW305-Pad2): length 4.9
  Bottom w0.25: SW305.2 98.1,54.49
Net-(SW306-Pad2): length 5
  Bottom w0.25: SW306.2 117,49.64
Net-(SW307-Pad2): length 4.9
  Bottom w0.25: SW307.2 174.1,54.49
Net-(SW308-Pad2): length 4.9
  Bottom w0.25: SW308.2 193.1,54.49
Net-(SW309-Pad2): length 5
  Bottom w0.25: SW309.2 212,49.64
Net-(SW310-Pad2): length 5
  Bottom w0.25: SW310.2 231,49.64
Net-(SW311-Pad2): length 5
  Bottom w0.25: SW311.2 250,49.64
Net-(SW312-Pad2): length 5
  Bottom w0.25: SW312.2 269,49.64
Net-(SW401-Pad2): length 5
  Bottom w0.25: SW401.2 22,30.64
Net-(SW402-Pad2): length 5
  Bottom w0.25: SW402.2 41,30.64
Net-(SW403-Pad2): length 4.9
  Bottom w0.25: SW403.2 60.1,35.49
Net-(SW404-Pad2): length 4.9
  Bottom w0.25: SW404.2 79.1,35.49
Net-(SW405-Pad2): length 4.9
  Bottom w0.25: SW405.2 98.1,35.49
Net-(SW406-Pad2): length 5
  Bottom w0.25: SW406.2 117,30.64
Net-(SW407-Pad2): length 4.9
  Bottom w0.25: SW407.2 174.1,35.49
Net-(SW408-Pad2): length 4.9
  Bottom w0.25: SW408.2 193.1,35.49
Net-(SW409-Pad2): length 4.9
  Bottom w0.25: SW409.2 212.1,35.49
Net-(SW410-Pad2): length 5
  Bottom w0.25: SW410.2 231,30.64
Net-(SW411-Pad2): length 5
  Bottom w0.25: SW411.2 250,30.64
Net-(SW412-Pad2): length 4.9
  Bottom w0.25: SW412.2 269.1,35.49
Net-(SW501-Pad2): length 5
  Bottom w0.25: SW501.2 22,11.64
Net-(SW502-Pad2): length 5
  Bottom w0.25: SW502.2 41,11.64
Net-(SW503-Pad2): length 4.9
  Bottom w0.25: SW503.2 60.1,16.49
Net-(SW504-Pad2): length 4.9
  Bottom w0.25: SW504.2 79.1,16.49
Net-(SW505-Pad2): length 37.1
  Bottom w0.25: 85.6,16.52 84.47,17.64 SW505.2 ; 85.6,16.52 86.1,16.02 86.1,12.02 85.35,11.27 83.6,11.27 82.35,10.02 SW505.2 ; 85.6,16.52 101.1,16.52 102.9,14.72 105.77,14.72 SW505.2
Net-(SW506-Pad2): length 5
  Bottom w0.25: SW506.2 136,11.64
Net-(SW507-Pad2): length 5
  Bottom w0.25: SW507.2 155,11.64
Net-(SW508-Pad2): length 52.4
  Bottom w0.25: SW508.2 164.97,17.64 165.85,16.77 177.35,16.77 179.05,18.47 181.77,18.47 SW508.2 187.01,16.59 188.85,14.76 188.85,11.39 186.85,9.39 184.85,9.39 181.35,5.89 178.85,5.89 177.35,7.39 SW508.2
Net-(SW509-Pad2): length 4.9
  Bottom w0.25: SW509.2 212.1,16.49
Net-(SW510-Pad2): length 5
  Bottom w0.25: SW510.2 231,11.64
Net-(SW511-Pad2): length 4.9
  Bottom w0.25: SW511.2 250.1,16.49
Net-(SW512-Pad2): length 4.9
  Bottom w0.25: SW512.2 269.1,16.49

## Copper pours and planes (outline as drawn; the poured copper is in the pictures)
GND on Top: 280.25,-4.75 -4.75,-4.75 -4.75,104.5 280.25,104.5
GND on Bottom: 285,-9.5 -9.5,-9.5 -9.5,109.25 285,109.25

## Text on the board
F.Silkscreen: tamago60 v1.3 / EggsWorks, April 2023 / www.eggs.works / github.com/eggsworks
